# KiCad board TheENDGAME2024_SILKSCREEN.kicad_pcb
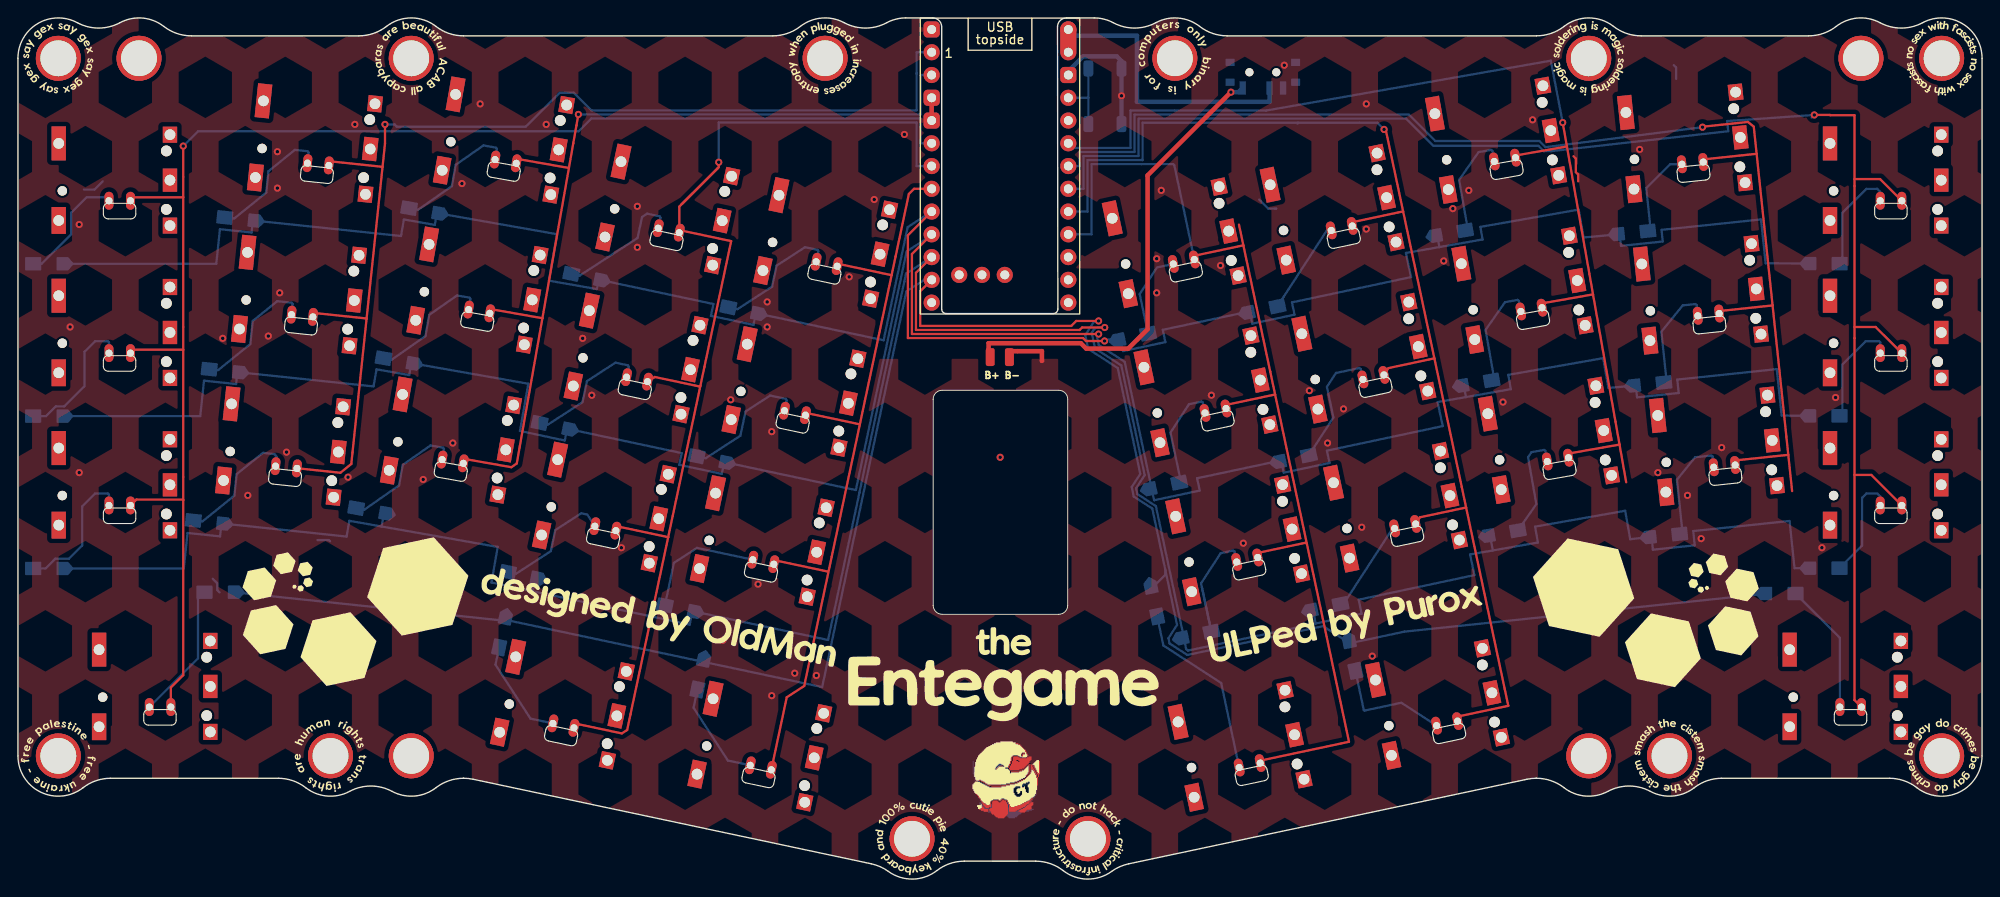
[diagram p0: board, top side]
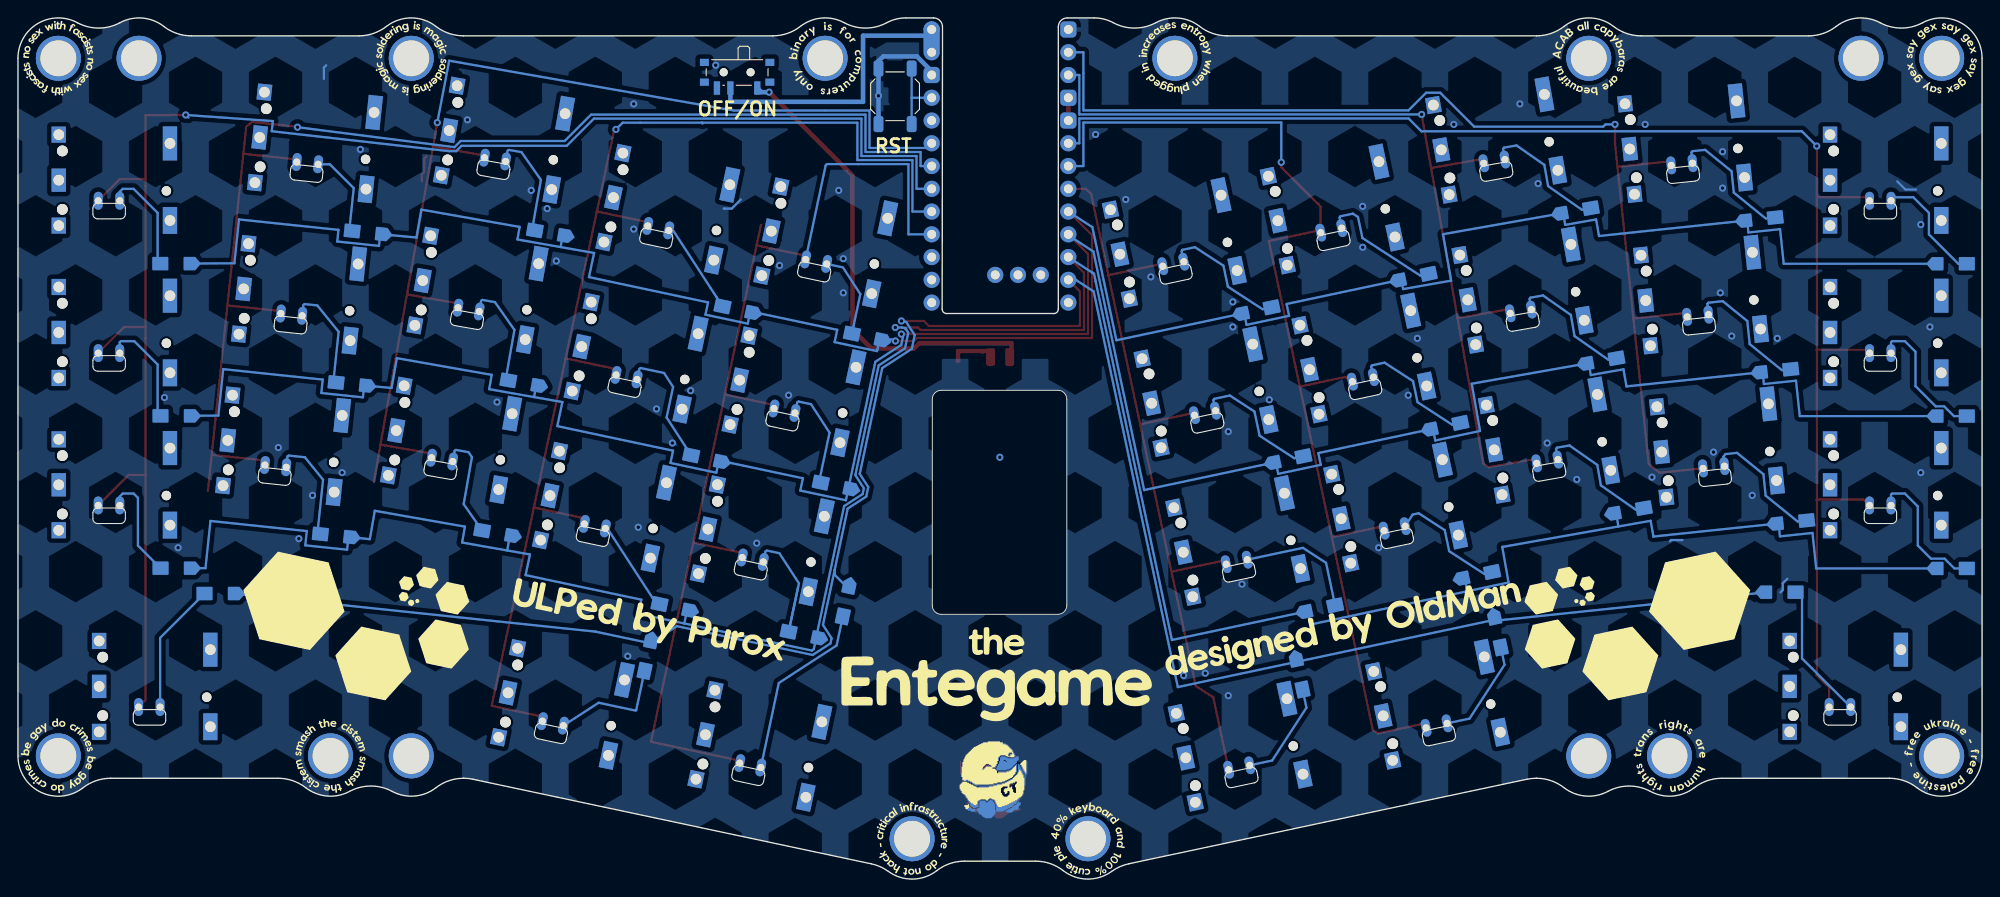
[diagram p1: board, bottom side, seen from below]

Outline 219 x 96.11 mm; copper layers: Top, Bottom. Coordinates in mm from the lower left corner of the outline.
Outline path: 115.44,63.11 103.5,63.11 arc(103.14,63.26) 103,63.61 103,95.11 arc(102.7,95.81) 102,96.11 99,96.11 arc(97.9,95.97) 96.87,95.57 arc(94.5,94.97) 92.13,95.57 arc(89.62,96.09) 87.24,95.16 arc(85.79,94.38) 84.17,94.11 49.68,94.11 arc(48.06,94.38) 46.61,95.16 arc(43.85,96.11) 41.09,95.16 arc(39.64,94.38) 38.02,94.11 19.33,94.11 arc(17.71,94.38) 16.26,95.16 arc(13.88,96.09) 11.37,95.57 arc(9,94.97) 6.63,95.57 arc(2.19,95.47) 0,91.61 0,13.75 arc(2.52,9.71) 7.26,10.2 arc(8.71,10.98) 10.33,11.25 29.02,11.25 arc(30.64,10.98) 32.09,10.2 arc(34.47,9.27) 36.98,9.79 arc(39.35,10.39) 41.72,9.79 arc(44.23,9.27) 46.61,10.2 arc(48.06,10.98) 49.68,11.25 49.7,11.25 arc(50.23,11.22) 50.74,11.14 95.15,1.7 arc(96.15,1.38) 97.05,0.86 arc(99.77,0) 102.46,0.95 arc(103.9,1.73) 105.53,2 113.47,2 arc(115.1,1.73) 116.54,0.95 arc(119.23,0) 121.95,0.86 arc(122.85,1.38) 123.85,1.7 168.26,11.14 arc(168.77,11.22) 169.29,11.25 ; 115.45,63.11 arc(115.81,63.26) 115.95,63.61 115.91,95.11 arc(116.21,95.81) 116.91,96.11 120,96.11 arc(121.1,95.97) 122.13,95.57 arc(124.5,94.97) 126.87,95.57 arc(129.38,96.09) 131.76,95.16 arc(133.21,94.38) 134.83,94.11 169.32,94.11 arc(170.94,94.38) 172.39,95.16 arc(175.15,96.11) 177.91,95.16 arc(179.36,94.38) 180.98,94.11 199.67,94.11 arc(201.29,94.38) 202.74,95.16 arc(205.12,96.09) 207.63,95.57 arc(210,94.97) 212.37,95.57 arc(216.81,95.47) 219,91.61 ; 169.3,11.25 169.32,11.25 arc(170.94,10.98) 172.39,10.2 arc(174.77,9.27) 177.28,9.79 arc(179.65,10.38) 182.02,9.79 arc(184.53,9.27) 186.91,10.2 arc(188.36,10.98) 189.98,11.25 208.67,11.25 arc(210.29,10.98) 211.74,10.2 ; 211.74,10.19 arc(216.48,9.71) 219,13.75 219,91.6 ; 102.05,53.55 arc(102.34,54.26) 103.05,54.55 116.05,54.55 arc(116.76,54.26) 117.05,53.55 117.05,30.55 arc(116.76,29.84) 116.05,29.55 103.05,29.55 arc(102.34,29.84) 102.05,30.55 102.05,53.55
Stack: Top 0.035mm / dielectric 1.51mm FR4 er 4.5 / Bottom 0.035mm

## Placement (name value [footprint] x y rotation side)
D5  D_Small  [Diode_SOD123_3D]  3.4 68.67 180 bottom
D6  D_Small  [Diode_SOD123_3D]  3.4 51.67 180 bottom
D7  D_Small  [Diode_SOD123_3D]  3.4 34.67 180 bottom
D8  D_Small  [Diode_SOD123_3D]  22.5 32.02 180 bottom
D10  D_Small  [Diode_SOD123_3D]  24.75 73.65 174 bottom
D11  D_Small  [Diode_SOD123_3D]  23.02 56.73 174 bottom
D12  D_Small  [Diode_SOD123_3D]  21.25 39.84 174 bottom
D13  D_Small  [Diode_SOD123_3D]  45.29 74.58 170 bottom
D14  D_Small  [Diode_SOD123_3D]  42.44 57.83 170 bottom
D15  D_Small  [Diode_SOD123_3D]  39.39 41.1 170 bottom
D17  D_Small  [Diode_SOD123_3D]  63.36 67.19 168 bottom
D18  D_Small  [Diode_SOD123_3D]  59.83 50.55 168 bottom
D19  D_Small  [Diode_SOD123_3D]  56.29 33.92 168 bottom
D20  D_Small  [Diode_SOD123_3D]  54.01 27.52 258 bottom
D22  D_Small  [Diode_SOD123_3D]  80.87 63.46 168 bottom
D23  D_Small  [Diode_SOD123_3D]  77.34 46.83 168 bottom
D24  D_Small  [Diode_SOD123_3D]  73.8 30.2 168 bottom
D25  D_Small  [Diode_SOD123_3D]  76.12 22.83 258 bottom
D26  D_Small  [Diode_SOD123_3D]  124.35 60.52 12 bottom
D27  D_Small  [Diode_SOD123_3D]  127.82 43.89 12 bottom
D28  D_Small  [Diode_SOD123_3D]  131.41 27.26 12 bottom
D29  D_Small  [Diode_SOD123_3D]  126.67 30.98 282 bottom
D32  D_Small  [Diode_SOD123_3D]  138.78 63.57 12 bottom
D33  D_Small  [Diode_SOD123_3D]  142.28 46.94 12 bottom
D34  D_Small  [Diode_SOD123_3D]  145.8 30.34 12 bottom
D35  D_Small  [Diode_SOD123_3D]  148.78 24.9 282 bottom
D36  D_Small  [Diode_SOD123_3D]  159.69 72.1 10 bottom
D37  D_Small  [Diode_SOD123_3D]  162.65 55.36 10 bottom
D38  D_Small  [Diode_SOD123_3D]  165.58 38.62 10 bottom
D39  D_Small  [Diode_SOD123_3D]  180.05 72.15 6 bottom
D40  D_Small  [Diode_SOD123_3D]  181.84 55.24 6 bottom
D41  D_Small  [Diode_SOD123_3D]  183.59 38.33 6 bottom
D44  D_Small  [Diode_SOD123_3D]  201.43 68.69 0 bottom
D45  D_Small  [Diode_SOD123_3D]  201.41 51.69 0 bottom
D46  D_Small  [Diode_SOD123_3D]  201.4 34.7 0 bottom
D47  D_Small  [Diode_SOD123_3D]  196.5 31.87 0 bottom
J1  B+  [SolderWirePad_1x01_SMD_1x2mm]  108.41 58.26 0 top
J2  B-  [SolderWirePad_1x01_SMD_1x2mm]  110.55 58.26 0 top
REF**  -  [OM MOUNTING MX BAD SILKSCREEN]  175.15 13.75 0 top
REF**#2  -  [OM MOUNTING WHO THE F IS ALICE SILKSCREEN]  90 91.61 0 top
REF**#3  -  [OM MOUNTING MX BAD SILKSCREEN]  43.85 91.6 0 top
REF**#4  -  [OM MOUNTING MX BAD SILKSCREEN]  4.5 91.6 0 top
REF**#5  -  [MOUNTING HOLE 4 mm ENDGAME Silver NEW]  13.5 91.61 0 top
REF**#6  -  [OM MOUNTING TOXIC SILKSCREEN]  129 91.61 0 top
REF**#7  -  [OM MOUNTING MX BAD SILKSCREEN]  214.5 91.6 0 top
REF**#8  -  [Clacktales_9mm_whiteSilk]  110.21 11.58 0 top
REF**#9  -  [OM MOUNTING MX BAD SILKSCREEN]  4.5 13.75 0 top
REF**#10  -  [OM MOUNTING MX BAD SILKSCREEN]  175.15 91.6 0 top
REF**#11  -  [OM MOUNTING LOVE PEACE UWU SILKSCREEN]  99.7 4.5 0 top
REF**#12  -  [OM MOUNTING MX BAD SILKSCREEN]  214.5 13.75 0 top
REF**#13  -  [OM MOUNTING MX BAD SILKSCREEN]  43.85 13.75 0 top
REF**#14  -  [OM MOUNTING DEEZ NUTZ SILKSCREEN]  119.3 4.5 0 top
REF**#15  -  [MOUNTING HOLE 4 mm ENDGAME Silver NEW]  34.85 13.75 0 top
REF**#16  -  [MOUNTING HOLE 4 mm ENDGAME Silver NEW]  184.15 13.75 0 top
REF**#17  -  [MOUNTING HOLE 4 mm ENDGAME Silver NEW]  205.5 91.61 0 top
REF**#18  -  [Clacktales_9mm_whiteSilk]  110.21 11.58 180 bottom
SW1  SW_SPDT  [SW_SPDT_PCM12]  138.81 89.71 0 bottom
SW2  SW_Push  [Cherry_ULP_TH_CUT_3D]  10.75 78 0 top
SW3  SW_Push  [Cherry_ULP_TH_CUT_3D]  10.75 61 0 top
SW4  SW_Push  [Cherry_ULP_TH_CUT_3D]  10.75 44 0 top
SW5  SW_Push  [Cherry_ULP_TH_CUT_3D_1.5u]  15.25 21.5 0 top
SW6  SW_Push  [Cherry_ULP_TH_CUT_3D]  33.12 82.12 354 top
SW7  SW_Push  [Cherry_ULP_TH_CUT_3D]  31.34 65.22 354 top
SW8  SW_Push  [Cherry_ULP_TH_CUT_3D]  29.56 48.31 354 top
SW9  SW_Push  [Cherry_ULP_TH_CUT_3D]  54.19 82.46 350 top
SW10  SW_Push  [Cherry_ULP_TH_CUT_3D]  51.24 65.72 350 top
SW11  SW_Push  [Cherry_ULP_TH_CUT_3D]  48.29 48.98 350 top
SW12  SW_Push  [Cherry_ULP_TH_CUT_3D]  72.46 74.77 348 top
SW13  SW_Push  [Cherry_ULP_TH_CUT_3D]  68.92 58.14 348 top
SW14  SW_Push  [Cherry_ULP_TH_CUT_3D]  65.39 41.51 348 top
SW15  SW_Push  [Cherry_ULP_TH_CUT_3D]  60.71 19.5 348 top
SW16  SW_Push  [Cherry_ULP_TH_CUT_3D]  90.07 71.03 348 top
SW17  SW_Push  [Cherry_ULP_TH_CUT_3D]  86.53 54.4 348 top
SW18  SW_Push  [Cherry_ULP_TH_CUT_3D]  83 37.77 348 top
SW19  SW_Push  [Cherry_ULP_TH_CUT_3D_1.5u]  82.72 14.82 348 top
SW20  SW_Push  [Cherry_ULP_TH_CUT_3D]  128.93 71.02 12 top
SW21  SW_Push  [Cherry_ULP_TH_CUT_3D]  132.47 54.4 12 top
SW22  SW_Push  [Cherry_ULP_TH_CUT_3D]  136 37.77 12 top
SW23  SW_Push  [Cherry_ULP_TH_CUT_3D_1.5u]  136.28 14.82 12 top
SW24  SW_Push  [Cherry_ULP_TH_CUT_3D]  146.54 74.77 12 top
SW25  SW_Push  [Cherry_ULP_TH_CUT_3D]  150.08 58.14 12 top
SW26  SW_Push  [Cherry_ULP_TH_CUT_3D]  153.61 41.51 12 top
SW27  SW_Push  [Cherry_ULP_TH_CUT_3D]  158.29 19.5 12 top
SW28  SW_Push  [Cherry_ULP_TH_CUT_3D]  164.81 82.46 10 top
SW29  SW_Push  [Cherry_ULP_TH_CUT_3D]  167.76 65.72 10 top
SW30  SW_Push  [Cherry_ULP_TH_CUT_3D]  170.71 48.98 10 top
SW31  SW_Push  [Cherry_ULP_TH_CUT_3D]  185.88 82.12 6 top
SW32  SW_Push  [Cherry_ULP_TH_CUT_3D]  187.66 65.22 6 top
SW33  SW_Push  [Cherry_ULP_TH_CUT_3D]  189.44 48.31 6 top
SW34  SW_Push  [Cherry_ULP_TH_CUT_3D]  208.25 78 0 top
SW35  SW_Push  [Cherry_ULP_TH_CUT_3D]  208.25 61 0 top
SW36  SW_Push  [Cherry_ULP_TH_CUT_3D]  208.25 44 0 top
SW37  SW_Push  [Cherry_ULP_TH_CUT_3D_1.5u]  203.75 21.5 0 top
SW38  SW_Push  [SW_SPST_SKQG_WithStem]  121.2 87.36 90 bottom
U1  SuperMini nRF52840  [SuperMini_nRF52840_AH_USBup_3D]  109.5 78.3 0 top

## Library data of the parts
D5-D8 D10-D15 D17-D20 D22-D29 D32-D41 D44-D47 = -: ki_fp_filters: TO-???* *_Diode_* *SingleDiode* D_*
J1 J2 = -: Description: Generic connector, single row, 01x01, script generated; ki_fp_filters: Connector*:*_1x??_*
SW1 = -: Description: Switch, single pole double throw
SW38 = -: Description: Push button switch, generic, two pins
U1 = -: Datasheet: https://wiki.icbbuy.com/doku.php?id=developmentboard:nrf52840; Description: Symbol for an nicekeyboards nice!nano

## Footprints (pads in the part's own frame, mm; a bottom-side part is the same pattern mirrored in y, then rotated)
Cherry_ULP_TH_CUT_3D
  round 1.05 hole 1.05 unplated: (-5.8,-1.2)
  round 1.2 hole 1.2 unplated: (5.8,-3.26) (5.8,3.26)
  rrect 1x2 hole 0.8: 1(-0.6,-2.3) 2(1.8,-2.3)
  rect 1.6x3.8 hole 1.2: 3(-6.2,4.1)
  rect 1.6x3 hole 1.2: 3(-6.2,-4.5)
  rect 1.6x1.8 hole 1.2: 3(6.2,5.075) 3(6.2,-5.075)
  rect 1.6x2.6 hole 1.2: 3(6.2,0)
Cherry_ULP_TH_CUT_3D_1.5u
  round 1.05 hole 1.05 unplated: (-5.8,-1.2)
  round 1.2 hole 1.2 unplated: (5.8,-3.26) (5.8,3.26)
  rrect 1x2 hole 0.8: 1(-0.6,-2.3) 2(1.8,-2.3)
  rect 1.6x3.8 hole 1.2: 3(-6.2,4.1)
  rect 1.6x3 hole 1.2: 3(-6.2,-4.5)
  rect 1.6x1.8 hole 1.2: 3(6.2,5.075) 3(6.2,-5.075)
  rect 1.6x2.6 hole 1.2: 3(6.2,0)
Diode_SOD123_3D
  custom 1.902x1.504 smd rot 179.8: 1(-1.45,0)
  rrect 1.8x1.5 smd: 2(1.7,0)
MOUNTING HOLE 4 mm ENDGAME Silver NEW
  round 5 smd: 1(0,0)
  round 5 hole 4: 1(0,0)
  round 5 smd far side: 1(0,0)
OM MOUNTING DEEZ NUTZ SILKSCREEN
  round 5 smd: 1(0,0)
  round 5 hole 4: 1(0,0)
  round 5 smd far side: 1(0,0)
OM MOUNTING LOVE PEACE UWU SILKSCREEN
  round 5 smd: 1(0,0)
  round 5 hole 4: 1(0,0)
  round 5 smd far side: 1(0,0)
OM MOUNTING MX BAD SILKSCREEN
  round 5 smd: 1(0,0)
  round 5 hole 4: 1(0,0)
  round 5 smd far side: 1(0,0)
OM MOUNTING TOXIC SILKSCREEN
  round 5 smd: 1(0,0)
  round 5 hole 4: 1(0,0)
  round 5 smd far side: 1(0,0)
OM MOUNTING WHO THE F IS ALICE SILKSCREEN
  round 5 smd: 1(0,0)
  round 5 hole 4: 1(0,0)
  round 5 smd far side: 1(0,0)
SolderWirePad_1x01_SMD_1x2mm
  rrect 1x2 smd: 1(0,0)
SuperMini_nRF52840_AH_USBup_3D
  round 1.8 hole 1: 1(-7.62,13.97) 2(-7.62,11.43) 5(-7.62,3.81) 6(-7.62,1.27) 7(-7.62,-1.27) 8(-7.62,-3.81) 9(-7.62,-6.35) 10(-7.62,-8.89) 11(-7.62,-11.43) 12(-7.62,-13.97) 15(7.62,8.89) 16(7.62,6.35) 17(7.62,3.81) 18(7.62,1.27) 19(7.62,-1.27) 20(7.62,-3.81) 21(7.62,-6.35) 22(7.62,-8.89) 23(7.62,-11.43) 24(7.62,-13.97) 25(-4.547,-10.876) 26(-2.007,-10.876) 27(0.533,-10.876) 29(7.62,16.51)
  rrect 1.8x1.8 hole 1: 3(-7.62,8.89) 4(-7.62,6.35) 14(7.62,11.43) 28(-7.62,16.51)
  oval 1.8x4.34 hole 1: 13(7.62,13.97)
SW_SPDT_PCM12
  rect 1x0.8 smd: (-3.65,-1.43) (-3.65,0.78) (3.65,-1.43) (3.65,0.78)
  round 0.9 hole 0.9 unplated: (-1.5,-0.33) (1.5,-0.33)
  rect 0.7x1.5 smd: 1(-2.25,1.43) 2(0.75,1.43) 3(2.25,1.43)
SW_SPST_SKQG_WithStem
  rrect 1.8x1.1 smd: 1(-3.1,1.85) 1(3.1,1.85) 2(-3.1,-1.85) 2(3.1,-1.85)

## Nets
gnd: J2.1 SW38.1 U1.3 U1.4 U1.14 U1.28
col0: SW2.2 SW3.2 SW4.2 SW5.2 U1.5
col1: SW6.2 SW7.2 SW8.2 U1.1
col2: SW9.2 SW10.2 SW11.2 U1.2
col3: SW12.2 SW13.2 SW14.2 SW15.2 U1.6
col4: SW16.2 SW17.2 SW18.2 SW19.2 U1.7
col5: SW20.2 SW21.2 SW22.2 SW23.2 U1.21
col6: SW24.2 SW25.2 SW26.2 SW27.2 U1.20
col7: SW28.2 SW29.2 SW30.2 U1.17
col8: SW31.2 SW32.2 SW33.2 U1.18
col9: SW34.2 SW35.2 SW36.2 SW37.2 U1.19
row0: D5.1 D10.1 D13.1 D17.1 D22.1 D26.1 D32.1 D36.1 D39.1 D44.1 U1.8
row1: D6.1 D11.1 D14.1 D18.1 D23.1 D27.1 D33.1 D37.1 D40.1 D45.1 U1.9
row2: D7.1 D12.1 D15.1 D19.1 D24.1 D28.1 D34.1 D38.1 D41.1 D46.1 U1.10
row3: D8.1 D20.1 D25.1 D29.1 D35.1 D47.1 U1.11
Net-(D5-A): D5.2 SW2.1
Net-(D6-A): D6.2 SW3.1
Net-(D7-A): D7.2 SW4.1
Net-(D8-A): D8.2 SW5.1
Net-(D10-A): D10.2 SW6.1
Net-(D11-A): D11.2 SW7.1
Net-(D12-A): D12.2 SW8.1
Net-(D13-A): D13.2 SW9.1
Net-(D14-A): D14.2 SW10.1
Net-(D15-A): D15.2 SW11.1
Net-(D17-A): D17.2 SW12.1
Net-(D18-A): D18.2 SW13.1
Net-(D19-A): D19.2 SW14.1
Net-(D20-A): D20.2 SW15.1
Net-(D22-A): D22.2 SW16.1
Net-(D23-A): D23.2 SW17.1
Net-(D24-A): D24.2 SW18.1
Net-(D25-A): D25.2 SW19.1
Net-(D26-A): D26.2 SW20.1
Net-(D27-A): D27.2 SW21.1
Net-(D28-A): D28.2 SW22.1
Net-(D29-A): D29.2 SW23.1
Net-(D32-A): D32.2 SW24.1
Net-(D33-A): D33.2 SW25.1
Net-(D34-A): D34.2 SW26.1
Net-(D35-A): D35.2 SW27.1
Net-(D36-A): D36.2 SW28.1
Net-(D37-A): D37.2 SW29.1
Net-(D38-A): D38.2 SW30.1
Net-(D39-A): D39.2 SW31.1
Net-(D40-A): D40.2 SW32.1
Net-(D41-A): D41.2 SW33.1
Net-(D44-A): D44.2 SW34.1
Net-(D45-A): D45.2 SW35.1
Net-(D46-A): D46.2 SW36.1
Net-(D47-A): D47.2 SW37.1
Net-(J1-Pin_1): J1.1 SW1.1
Net-(SW1-B): SW1.2 U1.13 U1.29
Net-(U1-RST): SW38.2 U1.15

Pads without a net: REF** 1; REF**#2 1; REF**#3 1; REF**#4 1; REF**#5 1; REF**#6 1; REF**#7 1; REF**#9 1; REF**#10 1; REF**#11 1; REF**#12 1; REF**#13 1; REF**#14 1; REF**#15 1; REF**#16 1; REF**#17 1; SW1 3; SW2 3; SW3 3; SW4 3; SW5 3; SW6 3; SW7 3; SW8 3; SW9 3; SW10 3; SW11 3; SW12 3; SW13 3; SW14 3; SW15 3; SW16 3; SW17 3; SW18 3; SW19 3; SW20 3; SW21 3; SW22 3; SW23 3; SW24 3; SW25 3; SW26 3; SW27 3; SW28 3; SW29 3; SW30 3; SW31 3; SW32 3; SW33 3; SW34 3; SW35 3; SW36 3; SW37 3; U1 12 16 22 23 24 25 26 27

## Via types
v1: diameter 0.8, hole 0.4, Top to Bottom, 76 vias

## Routing (per net, layer and track width the routed paths; a pad name or vN(x,y) marks a point on that pad's centre or on a via; arc(x,y) is an arc through that point)
gnd: length 34.3
  Top w0.25: 173.96,77.87 173.96,78.64 173.71,78.89 173.71,80.41 173.46,80.67
  Top w0.5: 114.19,57.83 114.17,57.85 114.17,58.92 110.62,58.92 ; U1.3 U1.4
  Bottom w0.25: 7.37,76.95 8.53,76.95 9.45,77.87 ; 184.63,90.83 184.89,90.57 184.89,89.3 ; 140.18,74.83 140.29,74.83 139.41,74.83 138.4,75.84 ; 22.48,31.99 22.23,32.25 22.23,33.01 21.72,33.52 ; 34.8,37.71 34.67,37.83 33.4,37.83
  Bottom w0.5: SW38.1 v1(123.05,87.42) SW38.1 123.05,91.28 122.52,91.81 118.77,91.81 117.12,90.16 U1.14
  vias: v1(5.82,61.62) v1(6.83,73.05) v1(6.83,45.36) v1(22.83,60.35) v1(25.63,42.82) v1(27.91,60.6) v1(28.93,81.18) v1(28.93,77.11) v1(29.18,65.43) v1(29.95,47.65) v1(36.8,44.85) v1(37.57,84.22) v1(45.19,44.6) v1(48.49,48.66) v1(49.5,77.62) v1(51.54,86.51) v1(58.9,84.22) v1(62.97,60.35) v1(63.98,54) v1(67.28,36.98) v1(69.06,75.08) v1(69.06,70.51) v1(78.61,26.66) v1(79.48,53.49) v1(82.52,32.92) v1(83.54,64.41) v1(83.54,61.62) v1(84.05,49.93) v1(84.05,20.47) v1(86.61,22.98) v1(89.03,22.72) v1(92.68,67.21) v1(95.48,75.84) v1(98.84,83.1) v1(109.52,47.07) v1(126.97,69.24) v1(126.97,65.43) v1(127.48,76.86) v1(133.07,54) v1(134.09,68.48) v1(136.63,37.49) v1(141.2,90.83) v1(143.99,54.51) v1(146.02,48.66) v1(147.8,52.47) v1(149.83,39.27) v1(149.99,28.44) v1(150.34,86.51) v1(150.34,72.54) v1(151,24.88) v1(158.98,68.98) v1(159.99,74.83) v1(161.77,76.86) v1(165.58,53.24) v1(168.88,84.73) v1(180.82,81.43) v1(182.85,45.36) v1(186.16,42.82) v1(187.68,38) v1(189.97,48.16) v1(201.14,36.98) v1(202.67,53.74)
col0: length 169
  Top w0.25: 18.43,59.07 12.92,59.07 SW3.2 ; 18.43,59.07 18.43,61.63 18.43,76.09 ; 18.43,59.07 18.43,44.88 18.43,42.31 ; SW4.2 13.2,42.35 18.39,42.35 18.43,42.31 ; 18.43,76.09 12.94,76.09 SW2.2 ; 18.43,76.09 v1(18.43,81.8) ; 18.43,22.77 17.05,21.39 SW5.2 ; 18.43,22.77 18.43,42.31 ; 18.43,22.77 18.34,22.68
  Bottom w0.25: v1(18.43,81.8) 20.08,83.46 62.51,83.46 63.94,84.89 100.66,84.89 100.66,82.11 U1.5
col1: length 126.8
  Top w0.25: 40.65,79.49 38.88,62.56 ; 40.65,79.49 40.93,82.08 v1(40.93,84.22) ; 40.65,79.49 35.18,80.06 SW6.2 ; 38.88,62.56 37.17,46.33 35.95,45.34 31.13,45.85 SW8.2 ; 38.88,62.56 33.38,63.14 SW7.2
  Bottom w0.25: v1(40.93,84.22) 41.99,84.22 42.24,83.97 56.63,83.97 60.42,87.76 61.98,87.76 63.96,85.79 100.2,85.79 100.2,89.92 100.21,92.27 U1.1
col2: length 101.8
  Top w0.25: SW10.2 53.16,63.53 58.48,62.59 ; 58.48,62.59 55.96,48.32 55.62,46.39 55.02,45.96 50.24,46.81 SW11.2 ; 58.48,62.59 58.87,64.83 61.43,79.35 ; SW9.2 56.14,80.29 61.43,79.36 61.43,79.35 ; 61.43,79.35 61.92,82.09 62.27,84.09 62.49,85.35
  Bottom w0.25: U1.2 100.66,89.73 100.66,85.34 v1(62.49,85.34)
col3: length 128.9
  Top w0.25: SW13.2 71.01,56.03 75.98,54.98 76.09,55.05 ; 76.09,55.05 72.5,38.15 ; 76.09,55.05 79.53,71.2 74.07,72.36 SW12.2 73.74,75.05 78.02,79.33 ; 72.5,38.15 72.5,38.16 67.27,39.27 SW14.2 ; 72.5,38.15 67.93,16.64 67.33,16.25 62.59,17.26 SW15.2 ; v1(78.14,80) 78.14,79.45 78.02,79.33 ; 78.02,79.33 74.04,75.35 74.01,75.35
  Bottom w0.25: 78.14,79.74 v1(78.14,80) 78.14,84.44 100.21,84.44 100.21,79.57 U1.6
col4: length 87.9
  Top w0.25: SW19.2 85.72,20.29 87.67,21.55 90.73,35.96 93.88,50.75 ; U1.7 99.91,77.03 99.34,76.46 97.86,69.5 97.41,67.39 ; 97.41,67.39 94.43,53.36 93.88,50.75 ; 97.41,67.39 91.68,68.61 SW16.2 ; 84.47,35.56 90.23,34.34 ; SW17.2 88.12,51.97 93.88,50.75
col5: length 117.3
  Top w0.25: SW20.2 131.49,69.63 136.64,70.73 ; SW22.2 138.63,36.49 143.56,37.53 143.71,37.44 ; SW23.2 138.72,13.26 148.41,15.32 143.71,37.44 ; 136.15,73.04 136.64,70.73 ; 136.64,70.73 140.17,54.08 ; 143.71,37.44 140.17,54.08 ; 140.17,54.08 135.01,52.98 SW21.2
  Bottom w0.25: U1.21 119.71,71.95 119.71,79.79 128.8,79.79 128.94,79.65 SW20.2
col6: length 136
  Top w0.25: SW25.2 152.81,57.03 157.93,58.12 ; 157.93,58.12 161.47,41.47 ; 157.93,58.12 154.45,74.51 ; 161.47,41.47 165.79,21.17 166.18,19.34 160.91,18.22 SW27.2 ; 161.47,41.47 156.33,40.38 SW26.2 ; 154.45,74.51 149.09,73.38 SW24.2 ; 154.45,74.51 152.53,83.53 v1(152.32,83.67) 152.23,83.73
  Bottom w0.25: 142.74,84.42 125.4,84.42 125.4,80.24 119.26,80.24 119.26,74.49 U1.20 ; 142.74,84.42 151.57,84.42 v1(152.32,83.67) ; 142.74,84.42 142.67,84.31
col7: length 124.5
  Top w0.25: v1(172.24,84.43) 172.71,81.76 ; 175.62,65.25 178.13,51.04 178.58,48.49 ; 175.62,65.25 170.32,64.32 SW29.2 ; 175.62,65.25 172.71,81.76 ; SW28.2 167.17,80.79 172.71,81.76 ; 178.58,48.49 179.32,44.29 ; 178.58,48.49 173.26,47.55 SW30.2
  Bottom w0.25: U1.17 117.64,81.59 124.05,81.59 124.05,85.77 128.99,85.77 139.17,85.77 170.92,91.34 v1(172.24,84.43)
col8: length 143.5
  Top w0.25: 197.4,47.35 197.82,43.3 ; 197.4,47.35 197.18,49.37 195.64,64.02 ; 197.4,47.35 191.92,46.77 SW33.2 ; 193.86,80.94 195.64,64.02 ; 193.86,80.94 188.17,80.35 SW31.2 ; 193.86,80.94 193.55,83.97 192.9,84.5 187.88,83.97 v1(187.83,83.91) 187.83,83.84 ; 195.64,64.02 189.93,63.42 SW32.2
  Bottom w0.25: v1(187.83,83.91) 170.33,81.68 169.64,82.37 158.04,82.37 155.09,85.32 124.5,85.32 124.5,81.14 118.36,81.14 118.36,79.57 U1.18
col9: length 184.7
  Top w0.25: 204.78,78.12 204.78,85.25 202.07,85.25 202.04,85.28 v1(200.29,85.28) ; 204.78,78.12 207.63,78.12 SW34.2 ; 204.78,78.12 204.78,61.61 ; 204.78,45.1 206.65,45.1 SW36.2 ; 204.78,45.1 204.78,60.34 ; 204.78,45.1 204.78,19.97 SW37.2 ; 204.78,61.61 204.78,60.34 ; 204.78,61.61 207.14,61.61 SW35.2 ; 204.78,60.34 204.81,60.34
  Bottom w0.25: 200,84.99 v1(200.29,85.28) 190.58,84.6 190.7,83.46 170.92,81.23 170.14,81.23 169.54,81.83 157.81,81.83 154.78,84.87 124.95,84.87 124.95,80.69 118.81,80.69 118.81,77.03 U1.19
row0: length 264.8
  Top w0.25: v1(121.16,60.05) 119.08,60.05 118.75,60.38 99.23,60.38 99.23,71.85 U1.8
  Bottom w0.25: 158.5,70.53 154.76,69.87 155.33,67.18 142.05,64.36 142.34,62.99 137.63,61.99 137.34,63.36 127.65,61.3 127.94,59.93 123.22,58.92 123.19,59.07 123.17,59.08 D26.1 121.32,60.22 v1(121.16,60.05) ; 158.5,70.53 D36.1 ; 158.5,70.53 163.31,71.38 163.06,72.78 174.02,74.72 174.57,71.6 178.58,71.97 D39.1 178.74,70.67 183.4,71.15 183.26,72.45 194.35,73.62 194.87,68.73 D44.1 ; D5.1 22.12,68.67 22.52,72.53 26.05,72.16 D10.1 42.71,71.77 43.04,73.61 46.48,73.01 D13.1 60.11,71.97 59.2,66.78 64.54,65.84 D17.1 77.55,64.18 77.27,62.86 82.01,61.85 D22.1 96.52,60.13 99.2,72.76 U1.8
row1: length 287.1
  Top w0.25: U1.9 99.68,69.76 99.68,60.83 120.49,60.83 v1(120.5,60.82)
  Bottom w0.25: 161.45,53.79 158.3,53.24 158.87,50.55 145.95,47.81 146.25,46.44 141.13,45.35 D33.1 140.84,46.72 131.48,44.73 131.77,43.36 126.7,42.28 126.68,42.29 D27.1 126.42,43.59 126.4,43.61 123.4,57.73 120.51,59.61 120.31,60.54 v1(120.5,60.82) ; 161.45,53.79 166.46,54.68 166.18,56.27 176.75,58.14 177.34,54.81 D40.1 180.53,53.76 185.18,54.25 185.02,55.75 196.11,56.91 196.66,51.73 D45.1 ; 161.45,53.79 D37.1 ; U1.9 101.85,71.83 99.09,70.03 93.43,43.41 D23.1 78.48,45.22 73.73,46.23 74.01,47.54 D18.1 60.97,48.94 55.98,50.01 56.91,55.28 D14.1 43.63,56.25 39.99,56.89 39.65,54.98 D11.1 24.33,55.25 20.75,55.62 20.33,51.67 D6.1
row2: length 309.9
  Top w0.25: v1(121.18,61.56) 118.66,61.56 118.38,61.28 100.13,61.28 100.13,67.67 U1.10
  Bottom w0.25: v1(121.18,61.56) 120.44,61.56 120.06,61.47 119.73,60.96 120.09,59.23 123.03,57.32 125.63,45.08 124.68,43.62 124.82,42.97 126.88,41.62 130,26.97 D28.1 130.26,25.65 130.45,25.53 130.46,25.5 144.7,28.53 ; D15.1 40.55,39.35 ; 40.55,39.35 36.95,39.98 36.67,38.37 36.65,38.22 D12.1 22.54,38.25 18.91,38.63 18.49,34.67 D7.1 ; 40.55,39.35 53.49,37.07 53.5,37.07 52.8,33.1 57.39,32.12 ; D38.1 164.45,36.68 ; 164.45,36.68 169.48,37.56 169.16,39.33 179.21,41.11 179.77,37.93 D41.1 182.3,36.76 186.96,37.25 186.8,38.84 197.54,39.97 198.09,34.7 D46.1 ; 164.45,36.68 161.91,36.23 162.4,33.93 149.49,31.18 149.82,29.62 144.7,28.53 ; U1.10 99.23,67.69 ; 99.23,67.69 99.02,67.56 ; 99.23,67.69 99.02,67.56 ; 99.02,67.56 98.84,66.69 93.83,43.14 93.83,43.14 90.33,26.68 D24.1 74.9,28.4 57.39,32.12 ; 120.09,61.48 120.05,61.47 119.93,61.27 ; 57.39,32.12 D19.1 ; 144.7,28.53 D34.1
row3: length 252.9
  Top w0.25: v1(120.49,62.29) 118,62.29 117.44,61.73 100.6,61.73 100.6,65.6 U1.11
  Bottom w0.25: D47.1 154.59,27.62 D35.1 145.53,28.23 130.39,25.01 128.4,26.3 128.28,26.88 129.24,28.36 127.93,34.53 ; D8.1 54.3,28.83 D20.1 D25.1 89.67,21.43 99.06,65.58 101.25,67.01 U1.11 ; 127.93,34.53 127.93,33.95 D29.1 ; 127.93,34.53 126.48,41.35 124.41,42.69 124.19,43.75 125.14,45.22 122.63,57.03 119.34,59.17 119.01,60.71 119.96,62.17 v1(120.49,62.29)
Net-(D5-A): length 13.1
  Bottom w0.25: D5.2 2.64,68.67 5.93,71.95 5.93,74.35 7.66,76.09 9.76,76.09 SW2.1
Net-(D6-A): length 15.4
  Bottom w0.25: SW3.1 10.15,59.9 10.02,60.03 8.6,60.03 7.42,58.85 7.42,55.01 5.17,52.75 4.22,52.75 3.14,51.67 D6.2
Net-(D7-A): length 15.7
  Bottom w0.25: SW4.1 10.15,42.9 10.02,43.03 8.6,43.03 7.17,41.59 7.17,37.23 5.69,35.75 4.17,35.75 3.08,34.67 D7.2
Net-(D8-A): length 15.4
  Bottom w0.25: D8.2 20.07,31.29 20.07,24.63 SW5.1
Net-(D10-A): length 14.6
  Bottom w0.25: SW6.1 32.4,81.09 32.29,81.23 30.88,81.38 27.94,79 27.69,76.61 24.12,73.72 D10.2
Net-(D11-A): length 14.7
  Bottom w0.25: D11.2 22.32,56.8 25.91,59.7 26.18,62.28 28.91,64.49 30.51,64.32 30.63,64.19 SW7.1
Net-(D12-A): length 14.5
  Bottom w0.25: D12.2 20.57,39.91 24.13,42.8 24.38,45.19 27.32,47.57 28.61,47.43 28.84,47.15 SW8.1
Net-(D13-A): length 14.6
  Bottom w0.25: D13.2 44.62,74.7 48.39,77.34 48.81,79.71 51.91,81.88 53.31,81.63 53.41,81.48 SW9.1
Net-(D14-A): length 14.5
  Bottom w0.25: SW10.1 50.46,64.74 50.35,64.89 48.95,65.13 45.85,62.96 45.44,60.6 41.68,57.96 D14.2
Net-(D15-A): length 14.6
  Bottom w0.25: SW11.1 47.51,48 47.4,48.14 46,48.39 42.9,46.22 42.5,43.94 38.64,41.24 D15.2
Net-(D17-A): length 14.5
  Bottom w0.25: D17.2 62.63,67.35 69.09,71.54 69.59,73.89 70.15,74.26 71.55,73.97 71.64,73.82 SW12.1
Net-(D18-A): length 14.5
  Bottom w0.25: D18.2 59.08,50.71 62.95,53.22 63.45,55.57 66.62,57.63 68.01,57.34 68.11,57.19 SW13.1
Net-(D19-A): length 13.6
  Bottom w0.25: SW14.1 63.48,40.68 62.81,40.83 59.91,38.94 59.41,36.59 55.54,34.08 D19.2
Net-(D20-A): length 11.7
  Bottom w0.25: D20.2 53.25,23.92 57.15,17.91 SW15.1
Net-(D22-A): length 14.6
  Bottom w0.25: D22.2 80.22,63.6 84.09,66.11 84.59,68.46 87.76,70.52 89.15,70.22 89.25,70.07 SW16.1
Net-(D23-A): length 14.8
  Bottom w0.25: SW17.1 85.72,53.45 85.62,53.59 83.87,53.97 81.13,52.18 80.55,49.48 76.69,46.97 D23.2
Net-(D24-A): length 14.3
  Bottom w0.25: D24.2 73.15,35.29 75.72,36.96 SW18.1
Net-(D25-A): length 11.7
  Bottom w0.25: D25.2 75.33,19.12 79.16,13.23 SW19.1
Net-(D26-A): length 9.8
  Bottom w0.25: D26.2 125.07,65.29 126.93,68.15 ; SW20.1 127.01,68.26
Net-(D27-A): length 12.3
  Bottom w0.25: SW21.1 132.11,53.2 131.96,53.29 130.57,53 128.51,49.82 129.64,44.49 D27.2
Net-(D28-A): length 17.4
  Bottom w0.25: SW22.1 135.64,36.57 135.5,36.66 134.1,36.37 131.92,33.01 D28.2 132.02,32.53
Net-(D29-A): length 20.6
  Bottom w0.25: SW23.1 134.17,21.88 127.72,26.07 D29.2
Net-(D32-A): length 10.5
  Bottom w0.25: SW24.1 145.86,72.27 141.74,65.91 141.15,65.02 141.15,65.01 D32.2
Net-(D33-A): length 14.5
  Bottom w0.25: SW25.1 149.72,56.94 149.57,57.04 146.96,56.48 145.95,54.93 146.68,51.51 D33.2 143.85,47.28
Net-(D34-A): length 10.6
  Bottom w0.25: D34.2 147.85,30.78 153.24,39.08 SW26.1
Net-(D35-A): length 13.5
  Bottom w0.25: D35.2 150.06,18.86 150.14,18.81 154.25,19.68 SW27.1
Net-(D36-A): length 12.4
  Bottom w0.25: 164.62,80.09 164.41,81.27 164.26,81.38 162.86,81.13 160.69,78.03 161.62,72.76 D36.2
Net-(D37-A): length 12.4
  Bottom w0.25: SW29.1 167.36,64.53 167.22,64.63 165.81,64.39 163.64,61.29 164.57,56.02 D37.2
Net-(D38-A): length 12.4
  Bottom w0.25: SW30.1 170.31,47.79 170.17,47.89 168.77,47.65 168.38,47.09 169.3,41.85 D38.2
Net-(D39-A): length 10
  Bottom w0.25: D39.2 182.03,72.69 181.56,77.11 184.22,79.77 SW31.1
Net-(D40-A): length 12.4
  Bottom w0.25: D40.2 183.8,55.76 183.25,61.08 185.63,64.02 187.04,64.17 187.18,64.06 SW32.1
Net-(D41-A): length 12.6
  Bottom w0.25: D41.2 185.58,38.88 184.98,44.57 187.01,47.08 188.82,47.27 188.98,47.14 188.96,47.12 SW33.1
Net-(D44-A): length 12.3
  Bottom w0.25: SW34.1 207.65,76.7 207.32,77.03 206.1,77.03 203.43,74.35 203.43,68.99 D44.2
Net-(D45-A): length 12.4
  Bottom w0.25: D45.2 203.43,52.01 203.43,57.43 206.03,60.03 207.52,60.03 207.65,59.9 SW35.1
Net-(D46-A): length 12.3
  Bottom w0.25: D46.2 205.62,37.22 205.62,42.55 206.1,43.03 207.32,43.03 207.65,42.7 SW36.1
Net-(D47-A): length 14.7
  Bottom w0.25: SW37.1 203.15,26.92 D47.2
Net-(J1-Pin_1): length 52.4
  Top w0.5: 135.29,87.78 v1(135.25,87.82) 125.96,78.53 125.96,61.36 123.8,59.2 119.12,59.2 118.52,59.8 108.23,59.8 108.23,58.44 108.41,58.26 J1.1
  Bottom w0.5: SW1.1 136.1,87.82 v1(135.25,87.82)
Net-(SW1-B): length 31.6
  Bottom w0.5: U1.29 117.81,94.12 124.77,94.12 124.77,86.74 139.56,86.74 SW1.2
Net-(U1-RST): length 8.4
  Bottom w0.25: 119.35,87.19 SW38.2 ; 119.35,87.19 SW38.2 ; 119.35,87.19 119.35,87.19 U1.15

## Copper pours and planes (outline as drawn; the poured copper is in the pictures)
gnd on Top, Bottom: outline of 3050 points within -7.72,-6.01 227.77,103.93

## Text on the board
B.Silkscreen: RST | OFF/ON
F.Silkscreen: B+ B-
